# Altium PCB PCB1.PcbDoc
Units mil, origin at the board's own origin, x right, y up, seen from the top; angles counter-clockwise.
Board outline 7715 x 1575 mil, 2 copper layers (Top Layer, Bottom Layer); 73 components, 65 nets, 221 pads, 0 vias.
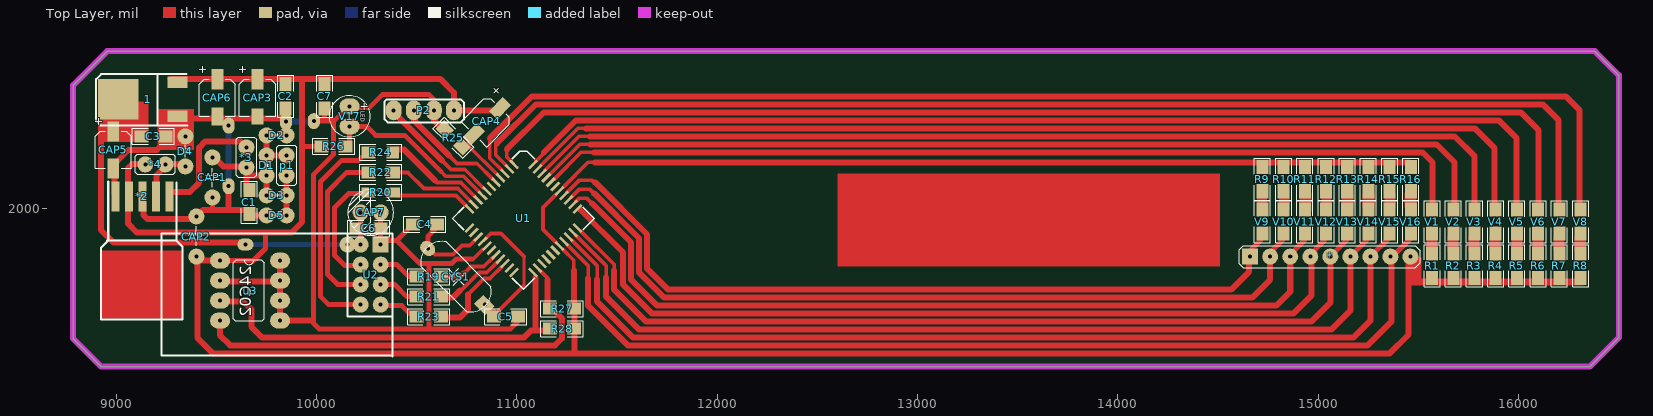
[diagram p0: Top Layer view]
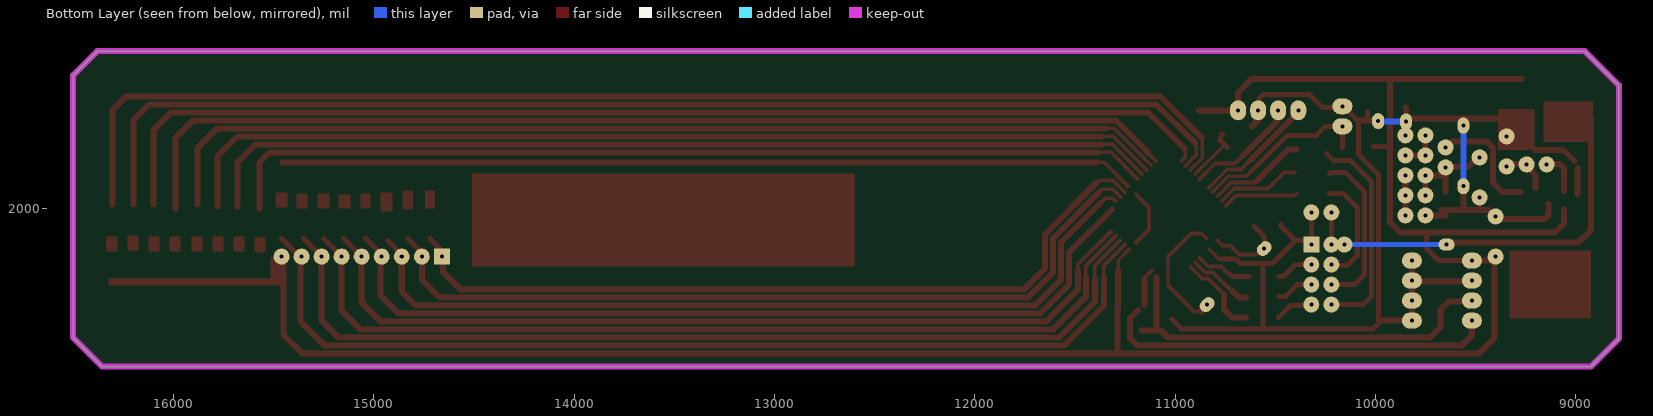
[diagram p1: Bottom Layer view, seen from below]

## Layer stack, top to bottom
Top Layer: signal copper 1.4
Dielectric: dielectric 12.6, FR-4, Dk 4.8
Bottom Layer: signal copper 1.4

## Board outline
8785,1350 8925,1210 16355,1210 16500,1355 16500,2665 16380,2785 8955,2785 8785,2615

## Design rules (kind name [scope] priority, off if disabled: settings)
Clearance [All] p1: gap=10
ComponentClearance [All] p1: gap=10 collisioncheckmode=3 verticalgap=10
PolygonConnect [All] p1: connectstyle=Relief reliefconductorwidth=10 reliefentries=4 polygonreliefangle="90 Angle"
RoomDefinition Sheet1 [InComponentClass('Sheet1')] p1: confinementstyle=ConfineIn formatcopy=TRUE lockcomponents=FALSE outline 0,0 2000,0 2000,1000 0,1000
RoutingVias [All] p1: holewidth=28 width=50 viastyle="Through Hole" minholewidth=28 minwidth=50 maxholewidth=28 maxwidth=50
SolderMaskExpansion [All] p1: expansion=4
TestPointUsage [All] p1: valid=0 allowmultiple=FALSE
Testpoint [All] p1: side=15 testpointundercomponent=TRUE minsize=40 maxsize=100 preferedsize=60 minholesize=0 maxholesize=40 preferedholesize=32 testpointgrid=1 style=1023 order=0-112345678
Width [All] p1: maxlimit=25 minlimit=25 preferedwidth=25
18 further rules are at their usual default settings.

## Components (designator, comment, footprint, x,y, rotation, side; value= is the part's Value field where it differs from the comment)
1 "3.3" 3.3 9305,2460 r180 top
* "上拉电阻" 上拉电阻 14660,1760 r90 top
*2 "2596" LM2596-P 9265,2060 r270 top
*3 "Inductor" PIN 9650,2305 r270 top
*4 "Inductor" PIN 9145,2220 r0 top
C1 "Cap" RES 9664,1972 r90 top
C2 "Cap" "C - duplicate"#1 9845,2500 r90 top
C3 "Cap" "C - duplicate"#1 9245,2360 r180 top
C4 "Cap" "C - duplicate"#1 10600,1920 r180 top
C5 "Cap" "C - duplicate"#1 10885,1460 r0 top
C6 "Cap" "C - duplicate"#1 10320,1900 r180 top
C7 "Cap" "C - duplicate"#1 10040,2500 r90 top
CAP1 "电解小电容" C 9480,2055 r90 top
CAP2 "电解小电容" C 9400,1960 r270 top
CAP3 "电解小电容" "CAP - duplicate"#1 9705,2460 r90 top
CAP4 "电解小电容" "CAP - duplicate"#2 10785,2370 r45 top
CAP5 "电解小电容" "CAP - duplicate"#2 8985,2200 r90 top
CAP6 "电解小电容" "CAP - duplicate"#3 9505,2460 r90 top
CAP7 "电解小电容" 电解小电容 10320,1980 r180 top
CYS1 "晶振" 晶振-p 10625,1730 r315 top
D1 "二极管" IN4148 9750,2265 r270 top
D2 "二极管" IN4148 9850,2365 r180 top
D3 "二极管" IN4148 9850,2065 r180 top
D4 "二极管" 1N4001 9345,2360 r270 top
D5 "二极管" IN4148 9750,1965 r0 top
p1 "PIN" PIN 9850,2265 r270 top
P2 "4" 4 10385,2490 r90 top
R1 "电阻" "C - duplicate"#1 15567.93,1774 r270 top
R2 "电阻" "C - duplicate"#1 15673.8,1774 r270 top
R3 "电阻" "C - duplicate"#1 15779.67,1774 r270 top
R4 "电阻" "C - duplicate"#1 15885.53,1774 r270 top
R5 "电阻" "C - duplicate"#1 15991.4,1774 r270 top
R6 "电阻" "C - duplicate"#1 16097.27,1774 r270 top
R7 "电阻" "C - duplicate"#1 16203.13,1774 r270 top
R8 "电阻" "C - duplicate"#1 16309,1774 r270 top
R9 "电阻" "C - duplicate"#1 14721,2086 r90 top
R10 "电阻" "C - duplicate"#1 14826.87,2086 r90 top
R11 "电阻" "C - duplicate"#1 14932.73,2086 r90 top
R12 "电阻" "C - duplicate"#1 15038.6,2086 r90 top
R13 "电阻" "C - duplicate"#1 15144.47,2086 r90 top
R14 "电阻" "C - duplicate"#1 15250.33,2086 r90 top
R15 "电阻" "C - duplicate"#1 15356.2,2086 r90 top
R16 "电阻" "C - duplicate"#1 15462.07,2086 r90 top
R19 "电阻" "C - duplicate"#1 10500,1660 r0 top
R20 "电阻" "C - duplicate"#2 10380,2080 r180 top
R21 "电阻" "C - duplicate"#1 10500,1560 r0 top
R22 "电阻" "C - duplicate"#1 10380,2180 r180 top
R23 "电阻" "C - duplicate"#1 10500,1460 r0 top
R24 "电阻" "C - duplicate"#3 10380,2280 r180 top
R25 "电阻" "C - duplicate"#1 10725,2310 r135 top
R26 "电阻" RES 10025,2310 r0 top
R27 "电阻" RES 11165,1500 r0 top
R28 "电阻" RES 11165,1400 r0 top
U1 "STC89C52-44P" "LCC44 - duplicate" 10985,2220 r315 top
U2 "24L01" 24L01 10320,1820 r180 top
u3 "24c02" 24C02 9818,1740 r180 top
V1 "LED" "C - duplicate"#1 15567.93,1874 r90 top
V2 "LED" "C - duplicate"#1 15673.8,1874 r90 top
V3 "LED" "C - duplicate"#1 15779.67,1874 r90 top
V4 "LED" "C - duplicate"#1 15885.53,1874 r90 top
V5 "LED" "C - duplicate"#1 15991.4,1874 r90 top
V6 "LED" "C - duplicate"#1 16097.27,1874 r90 top
V7 "LED" "C - duplicate"#1 16203.13,1874 r90 top
V8 "LED" "C - duplicate"#1 16309,1874 r90 top
V9 "LED" "C - duplicate"#1 14721,1994 r270 top
V10 "LED" "C - duplicate"#1 14826.87,1994 r270 top
V11 "LED" "C - duplicate"#1 14932.73,1994 r270 top
V12 "LED" "C - duplicate"#1 15038.6,1994 r270 top
V13 "LED" "C - duplicate"#1 15144.47,1994 r270 top
V14 "LED" "C - duplicate"#1 15250.33,1994 r270 top
V15 "LED" "C - duplicate"#1 15356.2,1994 r270 top
V16 "LED" "C - duplicate"#1 15462.07,1994 r270 top
V17 "LED" LED 10165,2510 r270 top

## Footprints (in the part's own frame and the unit in brackets; to place one, negate y for a bottom-side part, rotate by r counter-clockwise, add the part's x,y. Pads: shape width x height; smd on the part's side, far side on the other; paste and mask are expansions set on the pad)
1N4001 [mil]
  round 80 hole 20: 1(0,0) 2(150,0)
  silkscreen extent 45,-25 105,25
3.3 [mil]
  rect 100x59.06 smd: 1(0,0) 3(0,-170)
  rect 200x200 smd: 2(295,-85)
  silkscreen extent -50,-210 405,45
4 [mil]
  oval 100x80 hole 20: 1(0,0) 2(0,-100) 3(0,-200) 4(0,-300)
  silkscreen extent -60,-350 55,45
24C02 [mil]
  oval 100x80 hole 20: 1(0,0) 2(0,100) 3(0,200) 4(0,300) 5(300,300) 6(300,200) 7(300,100) 8(300,0)
  silkscreen extent 80,-5 235,300
24L01 [mil]
  rect 80x80 hole 20: 1(0,0)
  round 80 hole 20: 2(0,100) 3(0,200) 4(0,300) 5(100,300) 6(100,200) 7(100,100) 8(100,0)
  silkscreen extent -60,-55 1095,560
C [mil]
  round 80 hole 20: 1(0,0) 2(200,0)
  silkscreen extent 50,-40 145,35
"C - duplicate"#1 [mil]
  rect 70x60 smd: 1(-0.12,0) 2(120,0)
  silkscreen extent -45,-40 165,40
"C - duplicate"#2 [mil]
  rect 70x50 smd: 1(-0.12,0) 2(120,0)
  silkscreen extent -45,-40 165,40
"C - duplicate"#3 [mil]
  rect 60x60 smd: 1(-0.12,0)
  rect 70x60 smd: 2(120,0)
  silkscreen extent -45,-40 165,40
"CAP - duplicate"#1 [mil]
  rect 80x59.06 smd: 1(0,0)
  rect 100x59.06 smd: 2(185,0)
  silkscreen extent 0,-90 185,90
"CAP - duplicate"#2 [mil]
  rect 100x59.06 smd: 1(0,0) 2(185,0)
  silkscreen extent 0,-90 185,90
"CAP - duplicate"#3 [mil]
  rect 90x59.06 smd: 1(0,0)
  rect 100x59.06 smd: 2(185,0)
  silkscreen extent 0,-90 185,90
IN4148 [mil]
  round 80 hole 20: 1(0,0) 2(100,0)
  silkscreen extent 40,-10 60,10
"LCC44 - duplicate" [mm]
  oval 1.5x0.35 smd: 1(0,0)
  rect 1.5x0.35 smd: 2(0,-0.8) 3(0,-1.6) 4(0,-2.4) 5(0,-3.2) 6(0,-4) 7(0,-4.8) 8(0,-5.6) 9(0,-6.4) 10(0,-7.2) 11(0,-8) 23(11.4,-8) 24(11.4,-7.2) 25(11.4,-6.4) 26(11.4,-5.6) 27(11.4,-4.8) 28(11.4,-4) 29(11.4,-3.2) 30(11.4,-2.4) 31(11.4,-1.6) 32(11.4,-0.8) 33(11.4,0)
  rect 0.35x1.5 smd: 12(1.7,-9.7) 13(2.5,-9.7) 14(3.3,-9.7) 15(4.1,-9.7) 16(4.9,-9.7) 17(5.7,-9.7) 18(6.5,-9.7) 19(7.3,-9.7) 20(8.1,-9.7) 21(8.9,-9.7) 22(9.7,-9.7) 34(9.7,1.7) 35(8.9,1.7) 36(8.1,1.7) 37(7.3,1.7) 38(6.5,1.7) 39(5.7,1.7) 40(4.9,1.7) 41(4.1,1.7) 42(3.3,1.7) 43(2.5,1.7) 44(1.7,1.7)
  silkscreen extent -0.65,-10.35 12.05,2.35
LED [mil]
  oval 80x100 hole 20: 1(0,0) 2(100,0)
  silkscreen extent -53,-102 153,103
LM2596-P [mil]
  rect 150x40 smd: 1(0,0) 2(0,-67.5) 3(0,-135) 4(0,-202.5) 5(0,-270)
  Top Layer region: 270,-340 610,-340 610,65 270,65
  silkscreen extent -75,-340 615,65
PIN [mil]
  round 80 hole 20: 1(100,0) 2(0,0)
  silkscreen extent -50,-50 150,50
RES [mil]
  rect 70x60 smd: 1(-0.12,0) 2(120,0)
  silkscreen extent -45,-40 165,40
上拉电阻 [mil]
  rect 80x80 hole 20: 0(0,0)
  round 80 hole 20: 1(0,-100) 2(0,-200) 3(0,-300) 4(0,-400) 5(0,-500) 6(0,-600) 7(0,-700) 8(0,-800)
  silkscreen extent -55,-850 55,55
晶振-p [mil]
  oval 80x65 smd: 1(-100,0)
  rect 80x65 smd: 2(300,0)
  silkscreen extent -105,-86 305,89
电解小电容 [mil]
  round 80 hole 20: 1(0,0) 2(100,0)
  silkscreen extent -64,-114 164,115

## Free pads (board coordinates)
  round 80 hole 20: 0(10155,1820)
  oval 80x60 hole 20: 4(9645,1820)
  oval 60x80 hole 20: 5(9561,2111) 6(9561,2414) 7(9847,2434) 8(9986,2436)
  oval 60x80 hole 20 rot 45: 9(10555,1800) 10(10840,1520)

## Nets (pads, with @x,y where several pads share a name; then routed paths per layer and width w, separated by ;. In a path a pad name is that pad's centre, name@x,y a point inside that pad or via, vN(x,y) a via of type N, cw(c..) or ccw(c..) an arc to the next point about the centre after c; other vN are vias at no path point)
3.3V: 1.2 C3.2 C6.2 CAP5.2 CAP7.2 pad.0 pad.4 U2.8 | length 2026.8
  Top Layer w25: U2.8@10220,1835 CAP7.2@10220,1960
  Top Layer w30: 1.2@8924,2453 8924,1892 8985,1831 9619,1831 pad.4@9630,1820 ; CAP5.2@8985,2381 1.2@8985,2491
  Bottom Layer w25: pad.4@9650,1820 pad.0@10145,1820
GND: 1.1 *2.3 *2.5 C1.1 C2.1 C3.1 C4.2 C5.2 C6.1 C7.1 CAP1.1 CAP2.1 CAP3.1 CAP5.1 CAP6.1 CAP7.1 D2.1 D4.1 D5.1 P2.3 pad.5 pad.6 pad.7 pad.8 R25.2 U1.16 U2.1 u3.1 u3.2 u3.3 u3.4 u3.7 V17.1 | length 7393.2
  Top Layer w18: 10780,1745 U1.16@10830,1795
  Top Layer w25: 9480,1995 CAP1.1 ; 10040,2440 C7.1@10040,2485 ; 10085,2440 10085,2270 9985,2170 9985,1426 10013,1398 10967,1398 C5.2@11017,1448 ; 10097.5,2447.5 10160,2510 V17.1 ; V17.1@10170,2505 10265,2505 10330,2570 10560,2570 10580,2550 ; U2.1@10320,1840 CAP7.1@10320,1960 ; U2.1@10340,1840 10400,1840 ; C4.2@10470,1920 10470,1910 10400,1840 ; 10560,1400 10560,1725 ; 10772.32,1747.32 10697.32,1747.32 10675,1725 10515,1725 10400,1840
  Top Layer w30: *2.5@8992,2071 CAP5.1@8992,2202 ; CAP5.1@9006,2237 9061,2292 9203,2292 9219,2308 9223,2308 ; *2.3@9135,2022 9135,1968 9156,1947 9387,1947 9433,1993 9484,1993 ; C3.1@9243,2364 D4.1@9341,2364 ; 1.1@9295,2450 9829,2450 pad.7@9842,2463 ; D4.1@9343,2362 1.1@9343,2444 ; 9459,1992 C1.1@9669,1992 ; u3.7@9518,1636 u3.2@9802,1636 ; 9560,2000 pad.5@9560,2117 ; C1.1@9650.12,1965 D5.1 ; u3.1@9818,1744 9818,1441 9981,1441 ; D2.1@9847,2360 C2.1@9847,2504 ; pad.8@9979,2435 9984,2440 10085,2440 ; P2.3@10585,2510 10585,2440 R25.2@10615,2410
  Bottom Layer w30: pad.5@9561,2110 pad.6@9561,2404 ; pad.7@9846,2433 pad.8@9986,2433
Net*2_1: *2.1 *3.2 | length 597.7
  Top Layer w30: *2.1@9272,2082 9367,2082 9414,2129 9414,2304 9445,2335 9620,2335 *3.2
Net*2_2: *2.2 *4.1 D4.2 | length 224.2
  Top Layer w30: *2.2@9201,2103 9201,2165 *4.1@9245,2209 ; *4.1@9248,2222 D4.2@9348,2222
Net*3_1: *3.1 C1.2 CAP1.2 D1.2 D3.2 | length 484.6
  Top Layer w30: CAP1.2@9490,2255 9535,2210 *3.1@9651,2210 ; C1.2@9650,2085 *3.1@9650,2200 ; 9660,2165 D1.2 D3.2
NetD1_1: D1.1 D2.2 p1.2 | length 165
  Top Layer w30: D2.2@9750,2340 D1.1 p1.2@9840,2265
NetD3_1: D3.1 D5.2 p1.1 | length 200
  Top Layer w30: D5.2 p1.1
NetR1_1: R1.1 V1.1
NetR2_1: R2.1 V2.1
NetR3_1: R3.1 V3.1
NetR4_1: R4.1 V4.1
NetR5_1: R5.1 V5.1
NetR6_1: R6.1 V6.1
NetR7_1: R7.1 V7.1
NetR8_1: R8.1 V8.1
NetR9_1: R9.1 V9.1
NetR10_1: R10.1 V10.1
NetR11_1: R11.1 V11.1
NetR12_1: R12.1 V12.1
NetR13_1: R13.1 V13.1
NetR14_1: R14.1 V14.1
NetR15_1: R15.1 V15.1
NetR16_1: R16.1 V16.1
NetR19_1: R19.1 U2.2 | length 193.1
  Top Layer w25: U2.2@10320,1740 10340,1720 10400,1720 10460,1660 R19.1@10480,1660
NetR20_2: R20.2 U2.7 | length 570.1
  Top Layer w25: U2.7@10220,1740 10195,1715 10140,1715 10090,1765 10090,2005 10160,2075 R20.2@10230,2075
NetR21_1: R21.1 U2.3 | length 181.1
  Top Layer w25: U2.3@10330,1635 10345,1620 10390,1620 10450,1560 R21.1@10480,1560
NetR22_2: R22.2 U2.6 | length 820.4
  Top Layer w25: U2.6@10215,1640 10195,1620 10105,1620 10055,1670 10055,2085 10150,2180 10225,2180 R22.2@10230,2175
NetR23_1: R23.1 U2.4 | length 200.2
  Top Layer w25: U2.4@10320,1540 10345,1515 10425,1515 R23.1@10485,1455
NetR24_2: R24.2 U2.5 | length 1080.8
  Top Layer w25: U2.5@10220,1535 10205,1520 10060,1520 10020,1560 10020,2135 10125,2240 10210,2240 R24.2@10245,2275
P00: *.0 U1.37 V9.2 | length 3979.4
  Top Layer w18: U1.37@11250,2080 11310,2140 11375,2140 11390,2125
  Top Layer w25: *.0 14660,1790 V9.2@14720,1850
  Top Layer w30: 11390,2130 11650,1870 11650,1700 11755,1595 14565,1595 14655,1685 *.0@14655,1755
P01: *.1 U1.36 V10.2 | length 4091.1
  Top Layer w18: U1.36@11270,2055 11310,2095 11365,2095 11385,2075
  Top Layer w25: *.1 14760,1780 V10.2@14830,1850
  Top Layer w30: 11385,2075 11610,1850 11610,1680 11735,1555 14670,1555 14760,1645 *.1@14760,1750
P02: *.2 U1.35 V11.2 | length 4209.2
  Top Layer w18: U1.35@11295,2035 11310,2050 11350,2050 11375,2025
  Top Layer w25: *.2 14860,1770 V11.2@14930,1840
  Top Layer w30: 11375,2025 11570,1830 11570,1645 11700,1515 14790,1515 14860,1585 *.2@14860,1755
P03: *.3 U1.34 V12.2 | length 4314.5
  Top Layer w25: *.3 14960,1770 V12.2@15040,1850
  Top Layer w30: 11315,1995 11530,1780 11530,1620 11675,1475 14875,1475 14965,1565 *.3@14965,1760
P04: *.4 U1.33 V13.2 | length 4411.2
  Top Layer w18: U1.33@11320,1885 11485,1720 11485,1675
  Top Layer w25: *.4 V13.2@15150,1850
  Top Layer w30: 11485,1690 11485,1595 11645,1435 14965,1435 15060,1530 *.4
P05: *.5 U1.32 V14.2 | length 4602.1
  Top Layer w18: U1.32@11295,1865 11445,1715 11445,1640
  Top Layer w25: *.5 V14.2@15250,1850
  Top Layer w30: 11445,1655 11445,1560 11610,1395 15065,1395 15160,1490 *.5
P06: *.6 U1.31 V15.2 | length 4783.8
  Top Layer w18: U1.31@11275,1840 11400,1715 11400,1635
  Top Layer w25: *.6 V15.2@15350,1850
  Top Layer w30: 11400,1645 11400,1535 11580,1355 15175,1355 15260,1440 *.6
P07: *.7 U1.30 V16.2 | length 4948.3
  Top Layer w18: U1.30@11250,1820 11355,1715 11355,1645
  Top Layer w25: *.7 15370,1760 V16.2@15460,1850
  Top Layer w30: 11355,1650 11355,1515 11555,1315 15245,1315 15365,1435 *.7@15365,1750
P10: U1.40 V1.2 | length 4696.6
  Top Layer w18: U1.40@11185,2145 11320,2280 11390,2280
  Top Layer w30: 11385,2280 15520,2280 15570,2230 V1.2@15570,2000
P11: U1.41 V2.2 | length 4823.4
  Top Layer w18: U1.41@11165,2170 11315,2320 11355,2320
  Top Layer w30: 11366,2320 15590,2320 15680,2230 V2.2@15680,2010
P12: U1.42 V3.2 | length 4987.8
  Top Layer w18: U1.42@11140,2190 11310,2360 11350,2360
  Top Layer w30: 11364,2360 15680,2360 15780,2260 V3.2@15780,2010
P13: U1.43 V4.2 | length 5155.1
  Top Layer w18: U1.43@11120,2215 11305,2400 11342,2400
  Top Layer w30: 11345,2400 15780,2400 15880,2300 V4.2@15880,2020
P14: U1.44 V5.2 | length 5358.1
  Top Layer w18: U1.44@11095,2235 11130,2270
  Top Layer w30: 11135,2280 11295,2440 15900,2440 15990,2350 V5.2@15990,2000
P15: U1.1 V6.2 | length 5707.2
  Top Layer w18: 10950,2300 10950,2255 U1.1@10970,2235
  Top Layer w30: 10950,2295 11135,2480 16010,2480 16100,2390 V6.2@16100,2020
P16: U1.2 V7.2 | length 5976.7
  Top Layer w18: 10895,2330 10895,2265 U1.2@10950,2210
  Top Layer w30: 10900,2325 11095,2520 16120,2520 16200,2440 V7.2@16200,2020
P17: U1.3 V8.2 | length 6210.8
  Top Layer w18: 10865,2350 10865,2250 U1.3@10925,2190
  Top Layer w30: 10865,2350 11075,2560 16235,2560 16305,2490 V8.2@16305,2020
P20: R19.2 U1.18 | length 301.4
  Top Layer w18: 10835,1710 U1.18@10880,1755
  Top Layer w20: 10722.5,1662.5 10770,1710 10830,1710
  Top Layer w25: R19.2@10630,1660 10716.25,1661.04 10733.24,1678.44
P21: R21.2 U1.19 | length 315.4
  Top Layer w18: 10850,1680 U1.19@10900,1730
  Top Layer w20: 10720,1595 10725,1595 10810,1680 10845,1680
  Top Layer w30: R21.2@10645,1555 10680,1555 10715,1590
P22: R23.2 U1.20 | length 429.6
  Top Layer w18: 10865,1650 U1.20@10925,1710
  Top Layer w20: 10755,1570 10835,1650 10865,1650
  Top Layer w30: R23.2@10645,1455 10715,1455 10755,1495 10755,1570
P23: U1.21
P24: U1.22
P25: R28.1 U1.23 u3.6 | length 2052.6
  Top Layer w30: u3.6@9513,1535 9635,1535 9674,1496 9674,1410 9726,1358 ; 9728,1357 11036,1357 11071,1392 R28.1@11168,1392 ; 11092,1395 11092,1655 11093,1656
P26: R27.1 U1.24 u3.5 | length 2169.8
  Top Layer w18: U1.24@11115,1690 11155,1650 11155,1625
  Top Layer w30: u3.5@9517,1432 9517,1368 9568,1317 11190,1317 11225,1352 11225,1451 R27.1@11185,1491 ; R27.1@11153,1518 11153,1643
P27: U1.25
P30: P2.2 U1.5 | length 602.2
  Top Layer w18: 10780,2225 10800,2225 U1.5@10880,2145
  Top Layer w20: 10660,2265 10700,2225 10795,2225
  Top Layer w30: P2.2@10485,2510 10485,2440 10660,2265
P31: P2.1 U1.7 | length 642.4
  Top Layer w18: 10730,2195 10740,2195 U1.7@10835,2100
  Top Layer w20: 10625,2240 10670,2195 10735,2195
  Top Layer w30: P2.1@10385,2510 10385,2480 10625,2240
P32: R26.2 U1.8 V17.2 | length 871.7
  Top Layer w18: 10620,2185 10645,2160 10735,2160 U1.8@10815,2080
  Top Layer w25: R26.2@10165,2305 V17.2 ; V17.2@10185,2410 10250,2410 10295,2365 10440,2365 10620,2185
P33: R24.1 U1.9 | length 492.3
  Top Layer w18: 10720,2130 U1.9@10790,2060
  Top Layer w20: 10590,2140 10600,2130 10720,2130
  Top Layer w30: R24.1@10395,2295 10435,2295 10590,2140
P34: R22.1 U1.10 | length 425.1
  Top Layer w18: 10705,2100 U1.10@10770,2035
  Top Layer w20: R22.1@10405,2180 10455,2180 10535,2100 10705,2100
P35: R20.1 U1.11 | length 374.9
  Top Layer w20: R20.1@10395,2075 10405,2065 10695,2065 U1.11@10745,2015
P36: U1.12
P37: U1.13
RES: CAP4.1 R25.1 U1.4 | length 257.7
  Top Layer w18: R25.1@10760,2310 U1.4@10900,2170
  Top Layer w25: R25.1@10740,2305 10775,2340 CAP4.1@10775,2350
  Top Layer w30: CAP4.1@10765,2369.83 CAP4.1@10765,2370
VCC: 1.3 *2.4 *4.2 *.8 C2.2 C7.2 CAP2.2 CAP3.2 CAP4.2 CAP6.2 P2.4 R1.2 R2.2 R3.2 R4.2 R5.2 R6.2 R7.2 R8.2 R9.2 R10.2 R11.2 R12.2 R13.2 R14.2 R15.2 R16.2 R26.1 R27.2 R28.2 U1.29 U1.38 u3.8 | length 16027.7
  Top Layer w18: U1.29@11195,1830 11130,1895 11130,2005 U1.38@11195,2070 ; U1.29@11230,1795 11284,1741 11284,1690 ; U1.38@11232.5,2107.5 11355,2230 11390,2230
  Top Layer w25: u3.8@9515,1740 9685,1740 9745,1800 9745,1875 ; 9930,2310 R26.1@10010,2310
  Top Layer w30: *2.4@9058,2088 9058,2200 9080,2222 *4.2@9144,2222 ; *2.4@9059,1996 9059,1924 9103,1880 9875,1880 9927,1932 9927,2647 ; 1.3@9270,2646 9271,2647 10617,2647 10686,2578 P2.4@10686,2487 ; u3.8@9515,1741 9405,1741 9405,1355 9485,1275 11174,1275 ; P2.4@10690,2490 CAP4.2@10880,2490 ; 11175,1275 15355,1275 15450,1370 15450,1640 ; R27.2@11285,1495 11285,1690 ; 11287,1282 R27.2@11287,1500 ; 11390,2230 R16.2@15455,2230
X1: C5.1 CYS1.2 pad.10 U1.15 | length 604.8
  Top Layer w15: 11035,1610 11035,1760
  Top Layer w18: U1.15@10845,1850 10870,1875 10920,1875 11035,1760
  Top Layer w20: C5.1@10905,1485 11030,1610
  Top Layer w25: C5.1@10865,1480 CYS1.2@10865,1500 ; C5.1@10875,1485 C5.1@10885,1485
X2: C4.1 CYS1.1 pad.9 U1.14 | length 378
  Top Layer w18: 10765,1815 U1.14@10790,1840
  Top Layer w20: CYS1.1@10570,1790 10590,1770 10680,1770 10725,1815 10760,1815
  Top Layer w25: CYS1.1@10555,1805 10555,1860 C4.1@10605,1910
pads on no net: U1.6 U1.17 U1.26 U1.27 U1.28 U1.39

## Keep-outs
Keep-Out Layer:
  lines w30: 8785,1350 8925,1210 15485,1210 16355,1210 16500,1355 16500,2665 16380,2785 8955,2785 8785,2615 8785,1350

## Other copper
Top Layer:
  rectangle: 12600,1710 14510,2175
  rectangle net 3.3V: 8915,2332 9161,2533
  rectangle net GND: 9206,2292 9387,2497
  rectangle net NetR9_1: 14695,2000 14745,2090
  rectangle net NetR10_1: 14805,1995 14855,2090
  rectangle net NetR11_1: 14905,1985 14965,2080
  rectangle net NetR12_1: 15015,2000 15065,2075
  rectangle net NetR13_1: 15115,2000 15175,2070
  rectangle net NetR14_1: 15220,2000 15280,2075
  rectangle net NetR15_1: 15330,2000 15385,2075
  rectangle net NetR16_1: 15430,2005 15490,2080
  rectangle net NetR1_1: 15540,1780 15595,1855
  rectangle net NetR2_1: 15645,1785 15700,1860
  rectangle net NetR3_1: 15750,1785 15805,1860
  rectangle net NetR4_1: 15855,1785 15910,1860
  rectangle net NetR5_1: 15965,1785 16020,1860
  rectangle net NetR6_1: 16070,1785 16125,1860
  rectangle net NetR7_1: 16175,1790 16230,1865
  rectangle net NetR8_1: 16280,1785 16335,1860
  rectangle net VCC: 15445,1615 16325,1650
  rectangle net VCC: 15435,1615 15515,1755

## Text inside footprints (layer, text, board x,y; h text height)
CAP3: Top Overlay "+" at 9665,2670 h70 r90
CAP4: Top Overlay "+" at 10905.21,2546.78 h70 r45
CAP5: Top Overlay "+" at 8945,2410 h70 r90
CAP6: Top Overlay "+" at 9465,2670 h70 r90
u3: Top Overlay "24C02" at 9693,1715 h100 r90
V17: Top Overlay "+" at 10215,2490 h40